# Altium PCB PCB MODULE AM625.PcbDoc (part 2 of 4) (continued)
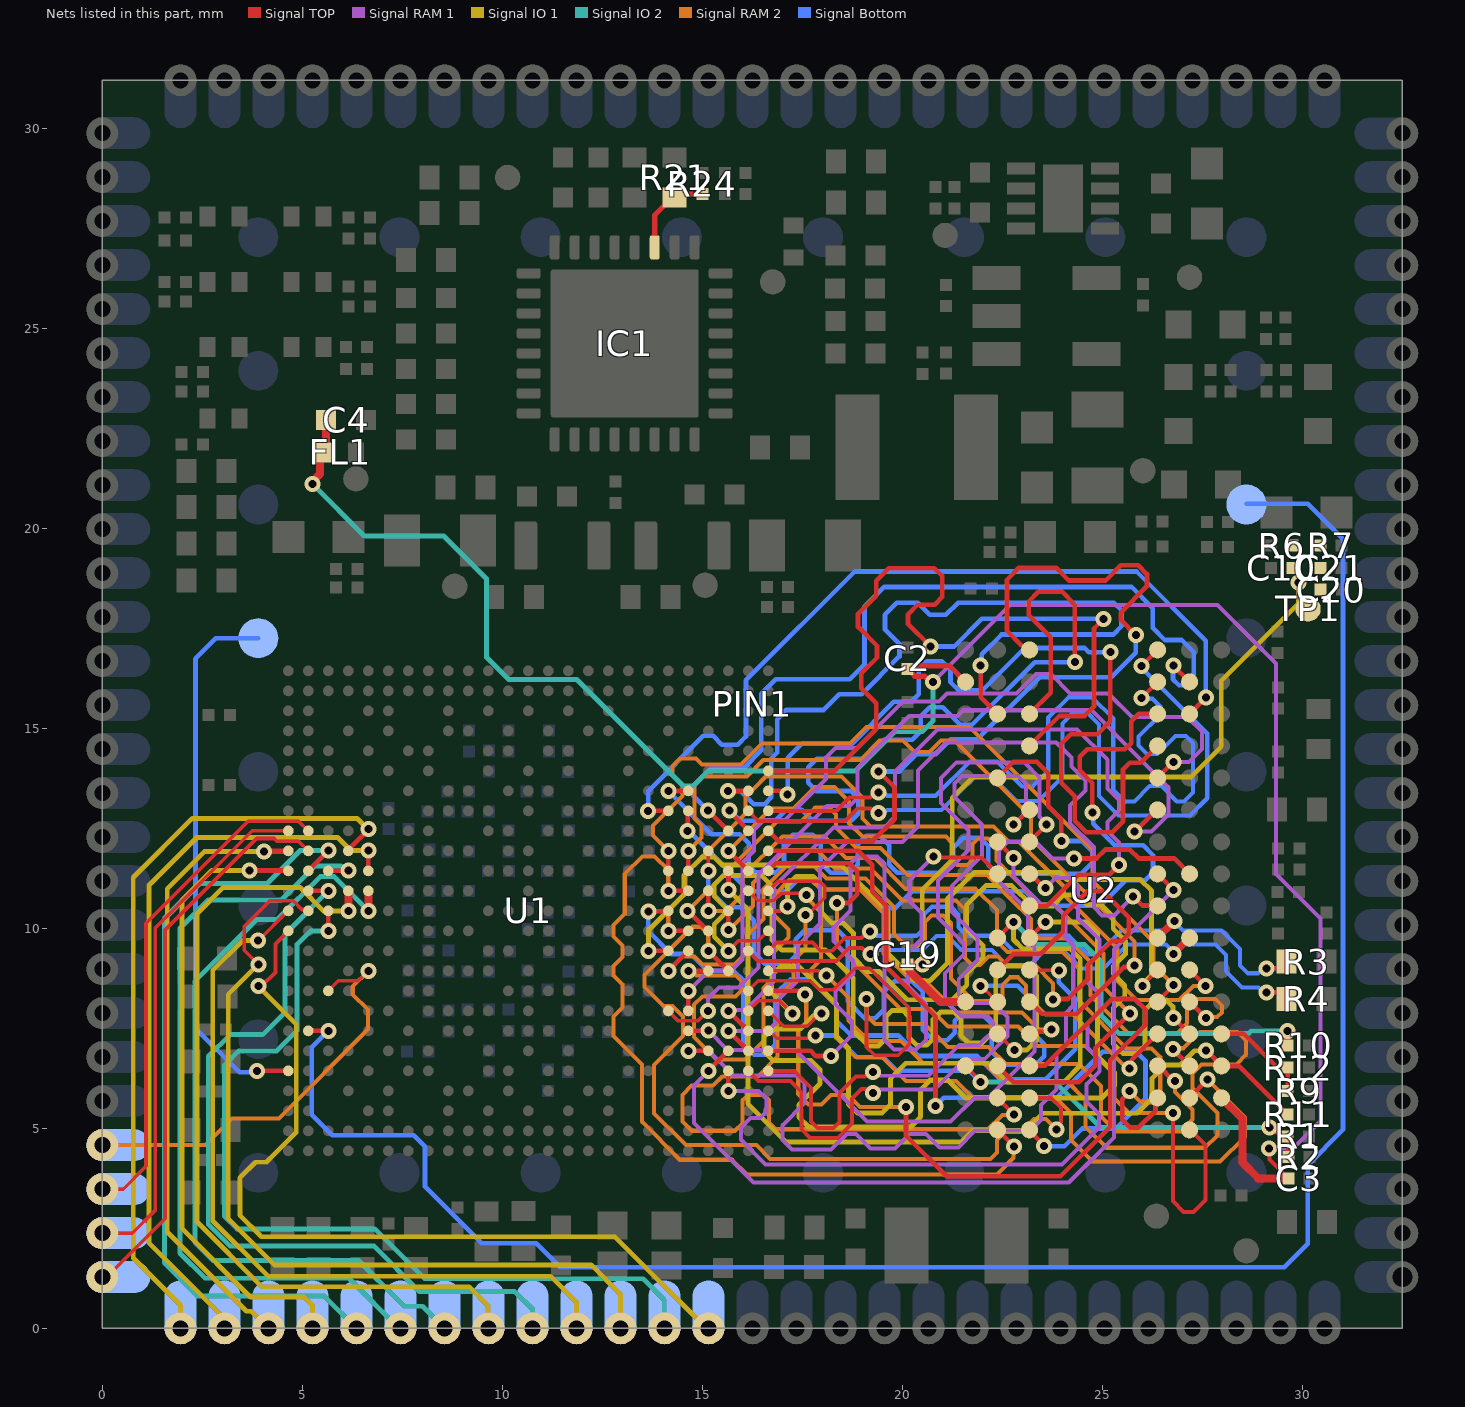
[diagram p10: the nets of this part, all layers, seen from the top]
## Nets (pads, with @x,y where several pads share a name; then routed paths per layer and width w, separated by ;. In a path a pad name is that pad's centre, name@x,y a point inside that pad or via, vN(x,y) a via of type N, cw(c..) or ccw(c..) an arc to the next point about the centre after c; other vN are vias at no path point) (continued)
  Signal TOP w0.117: v1(15.653,11.936) 15.653,11.934 16.15,11.438 U1.R2@16.15,11.436 ; U2.P2@22.381,6.561 22.787,6.155 23.975,6.155 24.414,6.155 24.831,6.572 24.831,7.011 v1(25.686,7.866)
  Signal RAM 2 w0.102: v1(15.653,11.936) 16.714,12.996 17.279,12.996 17.819,13.536 18.306,13.536 18.669,13.173 18.669,12.622 19.001,12.291 21.088,12.291 21.227,12.151 21.227,11.728 21.371,11.584 21.626,11.584 21.756,11.714 21.756,12.105 21.897,12.247 22.147,12.247 22.358,12.036 22.358,11.698 23.459,10.596 23.8,10.596 25.025,9.371 25.025,8.528 v1(25.686,7.866)
DDR_A7: U1.P2 U2.R8 | length 20.4
  Signal TOP w0.09: U1.P2@16.15,10.936 16.399,10.686 16.785,10.686 16.979,10.881 17.553,10.881 v1(17.599,10.835)
  Signal TOP w0.117: U2.R8@27.181,5.761 27.181,5.767 27.626,6.212 v1(27.626,6.218)
  Signal RAM 2 w0.102: v1(17.599,10.835) 17.599,10.771 17.971,10.4 17.971,9.226 17.73,8.985 17.73,8.68 18.349,8.061 18.349,7.256 18.826,6.779 19.49,6.779 20.088,6.181 21.344,6.181 21.743,5.782 23.818,5.782 24.215,5.385 24.215,4.704 24.754,4.165 27.948,4.165 28.57,4.787 28.57,5.274 v1(27.626,6.218)
DDR_A8: U1.P1 U2.R2 | length 20.3
  Signal TOP w0.09: U1.P1@16.65,10.936 16.892,11.178 17.927,11.178 18.06,11.045 18.06,10.765 17.623,10.328 v1(17.584,10.328) ; U2.R2@22.381,5.761 22.381,5.758 22.793,5.346 v1(22.793,5.342)
  Signal RAM 2 w0.102: v1(17.584,10.328) 17.584,9.499 17.28,9.194 17.28,8.686 16.883,8.29 16.883,6.789 16.388,6.294 15.499,6.294 15.271,6.066 14.732,6.066 14.5,5.835 14.5,5.166 14.728,4.939 15.822,4.939 16.005,5.122 16.005,5.701 16.139,5.835 16.532,5.835 16.662,5.704 16.662,5.147 16.833,4.976 22.143,4.976 22.503,5.337 22.787,5.337 v1(22.793,5.342)
DDR_A9: U1.P4 U2.R7 | length 20.2
  Signal TOP w0.117: v1(15.15,10.436) U1.P4@15.15,10.936 ; v1(25.682,5.933) 25.682,5.907 25.497,5.723 25.497,5.214 25.689,5.022 25.91,5.022 26.331,5.444 26.331,5.712 U2.R7@26.381,5.761
  Signal RAM 2 w0.102: v1(15.15,10.436) 15.598,10.436 16.007,10.844 16.007,11.307 17,12.3 18.05,12.3 18.597,11.753 19.315,11.753 20.08,10.988 21.832,10.988 22.366,10.454 22.366,9.671 22.625,9.412 23.999,9.412 24.413,8.999 24.413,8.193 25.607,6.999 26.228,6.999 26.448,6.779 26.448,5.817 26.282,5.651 25.964,5.651 v1(25.682,5.933)
DDR_A10: U1.R5 U2.M3 | length 20.3
  Signal TOP w0.102: U1.R5@14.65,11.436 v1(14.65,11.936)
  Signal TOP w0.117: U2.M3@23.181,8.161 23.193,8.161 23.493,7.861 24.366,7.861 25.536,9.031 25.763,9.031 v1(25.801,9.069)
  Signal RAM 2 w0.102: v1(14.65,11.936) 14.984,12.27 14.984,12.572 14.808,12.747 14.808,13.601 15.006,13.799 16.115,13.799 16.524,14.208 18.951,14.208 19.435,14.693 20.021,14.693 20.309,14.405 20.675,14.405 20.963,14.693 21.311,14.693 23.221,12.783 23.221,12.244 25.801,9.664 v1(25.801,9.069)
DDR_A11: U1.P5 U2.T2 | length 20.3
  Signal TOP w0.117: v1(14.15,10.936) U1.P5@14.65,10.936 ; U2.T2@22.381,4.961 v1(22.793,4.549)
  Signal RAM 2 w0.102: v1(14.15,10.936) 14.15,11.456 13.806,11.8 13.501,11.8 13.061,11.359 13.061,10.359 12.78,10.077 12.78,9.796 13.002,9.574 13.002,9.284 12.78,9.062 12.78,8.822 13.007,8.594 13.007,8.02 12.78,7.792 12.78,7.31 13.49,6.6 13.49,5.164 14.441,4.213 15.748,4.213 16.112,3.849 22.368,3.849 22.783,4.264 22.783,4.54 v1(22.793,4.549)
DDR_A12: U1.R6 U2.M7 | length 20.3
  Signal TOP w0.117: U1.R6@14.15,11.436 v1(14.15,11.936) ; U2.M7@26.381,8.161 26.381,8.17 26.781,8.57 v1(26.781,8.579)
  Signal RAM 2 w0.102: v1(14.15,11.936) 13.763,12.323 13.763,12.568 14.5,13.306 14.5,13.599 14.251,13.849 14.251,14.061 14.44,14.25 14.837,14.25 14.987,14.1 15.967,14.1 16.489,14.621 18.692,14.621 19.105,15.034 21.678,15.034 24.754,11.958 24.754,11.18 26.282,9.652 26.282,9.078 v1(26.781,8.579)
DDR_A13: U1.R1 U2.T8 | length 20.3
  Signal TOP w0.102: v1(26.763,5.387) 26.763,3.18 27.033,2.91 27.282,2.91 27.575,3.203 27.575,4.587 27.2,4.961 U2.T8@27.181,4.961
  Signal TOP w0.117: U1.R1@16.65,11.436 16.842,11.628 18.677,11.628 18.876,11.43 18.876,10.852 18.657,10.634 18.364,10.634 v1(18.362,10.632)
  Signal RAM 2 w0.102: v1(18.362,10.632) 18.362,9.569 19.949,7.982 20.708,7.982 21.148,7.541 22.899,7.541 23.378,7.062 24.584,7.062 25.3,6.345 25.3,5.751 25.664,5.387 v1(26.763,5.387)
DDR_A14_WEn: U1.N3 U2.L2 | length 20.2
  Signal TOP w0.117: U1.N3@15.65,10.436 15.652,10.434 15.652,9.959 v1(15.654,9.957) ; U2.L2@22.381,8.961 22.775,9.355 23.444,9.355 24.02,9.932 24.02,10.318 24.631,10.928 25.008,10.928 25.659,10.277 25.659,9.862 25.48,9.683 25.237,9.683 24.644,9.091 24.644,8.735 24.143,8.233 23.787,8.233 v1(23.768,8.215)
  Signal RAM 2 w0.102: v1(15.654,9.957) 15.671,9.957 16.27,10.557 16.27,11.137 17.089,11.955 17.867,11.955 18.322,11.5 19.2,11.5 20,10.7 21.338,10.7 21.566,10.472 21.566,9.257 21.743,9.08 21.946,9.08 22.156,9.29 22.395,9.29 22.621,9.064 23.325,9.064 23.768,8.621 v1(23.768,8.215)
DDR_A15_CAS: U1.M4 U2.M8 | length 20.2
  Signal TOP w0.117: v1(14.625,10.436) 14.637,10.436 15.137,9.936 U1.M4@15.15,9.936 ; U2.M8@27.185,8.161 v1@27.585,7.761
  Signal RAM 2 w0.102: v1(14.625,10.436) 14.636,10.436 16.865,12.665 17.469,12.665 17.824,13.02 18.165,13.02 18.342,12.843 18.342,12.518 18.856,12.004 19.455,12.004 20.126,11.333 22.116,11.333 22.698,10.751 23.221,10.228 23.221,9.957 23.431,9.747 24.114,9.747 24.707,9.154 24.707,8.323 25.642,7.387 26.884,7.387 27.122,7.626 27.122,7.999 27.351,8.228 27.833,8.228 27.992,8.069 27.992,7.898 27.872,7.778 27.611,7.778 v1(27.594,7.761)
DDR_A16_RAS: U1.M5 U2.L8 | length 20.3
  Signal TOP w0.117: v1(14.15,9.936) U1.M5@14.65,9.936 ; U2.L8@27.181,8.961 v1(27.581,8.561)
  Signal RAM 2 w0.102: v1(14.15,9.936) 14.15,10.451 14.576,10.878 14.576,11.366 15.246,12.036 15.802,12.592 16.083,12.874 16.083,13.292 16.315,13.524 16.586,13.795 18.484,13.795 19.01,13.269 19.01,12.744 19.21,12.544 22.285,12.544 22.666,12.163 22.918,12.163 24.042,11.039 24.042,10.838 25.381,9.499 25.381,8.683 25.858,8.205 26.924,8.205 27.28,8.561 v1(27.581,8.561)
DDR_ACTn: U1.N6 U2.L3 | length 19.9
  Signal TOP w0.09: U2.L3@23.181,8.961 23.186,8.956 23.906,8.956 v1(23.912,8.951)
  Signal TOP w0.117: v1(13.649,10.419) 13.658,10.427 14.141,10.427 U1.N6@14.15,10.436
  Signal Bottom w0.117: v1(13.649,10.419) 13.649,9.933 14.226,9.355 14.717,9.355 15.137,8.936 15.778,8.936 16.031,8.683 16.031,7.098 16.292,6.837 16.579,6.837 16.826,7.084 16.826,8.349 17.195,8.718 17.711,8.718 18.352,8.077 18.352,7.686 18.717,7.321 19.9,7.321 20.415,6.806 21.874,6.806 22.462,6.218 23.573,6.218 24.326,6.972 24.326,8.243 23.913,8.656 23.913,8.949 v1(23.912,8.951)
DDR_ALERTn: R11.1 U1.R3 U2.P9 | length 21.8
  Signal TOP w0.122: U1.R3@15.65,11.436 15.651,11.434 15.651,10.962 v1(15.653,10.961) ; v1(27.595,6.947) U2.P9@27.981,6.561 28.416,6.561 29.089,5.888 R11.1@29.635,5.342
  Signal IO 1 w0.122: v1(15.653,10.961) 16.139,10.475 16.139,5.616 17.1,4.655 21.468,4.655 21.756,4.943 23.077,4.943 23.511,5.376 25.867,5.376 26.246,5.755 26.246,6.25 26.579,6.583 26.95,6.583 27.306,6.939 27.587,6.939 v1(27.595,6.947)
DDR_BA0: U1.M1 U2.N2 | length 21.8
  Signal TOP w0.09: v1(15.653,9.436) 15.903,9.686 16.4,9.686 U1.M1@16.65,9.936 ; U2.N2@22.381,7.361 22.386,7.361 22.794,6.954 v1(22.799,6.954)
  Signal IO 1 w0.122: v1(15.653,9.436) 15.299,9.79 15.299,10.097 15.598,10.396 15.598,10.497 15.299,10.796 15.299,11.087 15.537,11.325 16.472,11.325 16.744,11.053 16.744,9.704 16.993,9.455 18.078,9.455 18.774,8.758 18.774,7.432 19.145,7.061 19.404,7.061 19.589,7.246 19.589,7.79 19.746,7.948 20.011,7.948 20.164,7.794 20.164,7.271 20.36,7.075 20.611,7.075 20.771,7.236 20.771,7.722 20.955,7.906 21.297,7.906 21.468,7.735 21.468,7.318 21.654,7.132 21.989,7.132 22.337,7.481 22.337,8.827 22.565,9.054 23.109,9.054 23.354,8.809 23.354,7.201 23.107,6.954 v1(22.799,6.954)
DDR_BA1: U1.N1 U2.N8 | length 21.8
  Signal TOP w0.102: U1.N1@16.65,10.436 16.941,10.436 17.045,10.539 v1(17.126,10.539)
  Signal TOP w0.117: v1(26.781,7.761) U2.N8@27.181,7.361
  Signal IO 1 w0.122: v1(17.126,10.539) 17.126,11.066 17.356,11.296 17.774,11.296 17.828,11.243 17.984,11.086 17.984,10.387 18.239,10.132 18.528,10.132 18.779,9.881 18.779,9.256 19.111,8.924 19.417,8.924 20.126,8.215 21.25,8.215 21.611,8.576 21.611,8.863 22.013,9.265 22.013,9.574 21.611,9.976 21.611,10.591 22.089,11.069 22.738,11.069 23.246,10.561 23.767,10.561 24.041,10.835 24.36,10.835 24.594,10.6 24.963,10.6 25.275,10.289 25.275,9.988 25.578,9.684 25.578,9.358 25.275,9.054 25.275,8.863 25.562,8.576 25.562,8.299 25.275,8.012 25.275,7.111 25.513,6.872 25.863,6.872 26.07,7.08 26.07,7.968 26.306,8.203 26.603,8.203 26.764,8.042 26.764,7.778 v1(26.781,7.761)
DDR_BG0: U1.T4 U2.M2 | length 19.9
  Signal TOP w0.09: v1(15.15,11.436) U1.T4@15.15,11.936 ; v1(21.961,8.561) 21.971,8.561 22.371,8.161 U2.M2@22.381,8.161
  Signal Bottom w0.117: v1(15.15,11.436) 15.15,10.973 15.6,10.523 15.963,10.523 16.282,10.204 16.282,9.384 16.556,9.11 17.132,9.11 17.339,9.317 17.339,9.727 17.565,9.953 18.381,9.953 18.636,9.698 18.636,8.173 19.054,7.755 19.327,7.755 19.539,7.967 19.539,8.413 19.807,8.682 20.249,8.682 20.51,8.421 20.51,7.466 20.776,7.2 21.12,7.2 21.309,7.39 21.309,7.686 21.516,7.893 21.961,7.893 22.239,7.614 22.239,6.91 22.562,6.587 23.332,6.587 23.547,6.801 23.547,7.101 23.324,7.323 23.324,8.119 22.882,8.561 v1(21.961,8.561)
DDR_CKE: R10.1 U1.H2 U2.K2 | length 29.1
  Signal TOP w0.09: U1.H2@16.15,7.936 16.397,8.184 16.938,8.184 v1(17.251,7.871)
  Signal TOP w0.117: U2.K2@22.381,9.761 v1(22.781,10.161)
  Signal TOP w0.2: v1(29.629,7.437) 29.632,7.434 29.632,7.077 R10.1@29.635,7.074
  Signal IO 1 w0.122: v1(17.251,7.871) 16.738,8.384 16.738,8.826 16.96,9.048 17.405,9.048 18.359,8.095 18.359,7.305 18.652,7.012 18.652,5.607 18.872,5.387 19.498,5.387 19.709,5.598 19.709,6.252 20.084,6.627 22.159,6.627 22.631,6.155 24.034,6.155 24.449,6.57 24.449,9.24 24.199,9.49 23.01,9.49 22.781,9.719 v1(22.781,10.161)
  Signal IO 2 w0.122: v1(22.781,10.161) 23.347,9.595 24.553,9.595 24.967,9.181 24.967,7.83 25.429,7.369 28.654,7.369 28.723,7.437 v1(29.629,7.437)
DDR_CLK_N: R4.1 U1.L2 U2.K8 | length 16.4
  Signal TOP w0.099: U1.L2@16.15,9.436 16.398,9.188 18.355,9.188 18.501,9.335 18.501,9.339 18.665,9.503 18.994,9.503 19.141,9.355 v1(19.203,9.355)
  Signal TOP w0.104: v1(29.1,8.4) 29.43,8.4 R4.1@29.6,8.23
  Signal TOP w0.182: v1(26.781,9.361) U2.K8@27.181,9.761
  Signal Bottom w0.104: v1(19.203,9.355) 19.283,9.355 19.384,9.457 20.505,9.457 20.852,9.804 21.129,9.804 21.476,9.457 22.239,9.457 22.61,9.086 22.624,9.086 22.636,9.074 23.187,9.074 23.57,9.457 24.016,9.457 24.476,8.997 25.033,8.997 25.628,9.593 26.594,9.593 26.781,9.406 v1(26.781,9.361) 26.79,9.361 27.021,9.593 27.834,9.593 28.091,9.336 28.091,8.925 28.496,8.519 28.901,8.519 29.02,8.4 v1(29.1,8.4)
DDR_CLK_P: R3.1 U1.L1 U2.K7 | length 16.7
  Signal TOP w0.099: U1.L1@16.65,9.436 16.861,9.648 17.751,9.648 17.96,9.439 18.251,9.439 18.251,9.443 18.561,9.753 18.982,9.753 19.142,9.914 v1(19.19,9.914)
  Signal TOP w0.104: v1(29.1,8.999) 29.433,8.999 R3.1@29.6,9.167
  Signal TOP w0.182: U2.K7@26.381,9.761 v1(26.799,10.179)
  Signal Bottom w0.104: v1(19.19,9.914) 19.27,9.914 19.372,9.813 20.358,9.813 20.543,9.998 20.543,10.343 20.739,10.539 21.215,10.539 21.409,10.345 21.409,10.027 21.623,9.813 22.401,9.813 22.783,9.43 23.04,9.43 23.423,9.813 24.164,9.813 24.623,9.353 24.886,9.353 25.481,9.948 26.613,9.948 26.799,10.134 v1@26.799,10.17 ; v1(26.799,10.179) v1@26.799,10.17 ; v1(29.1,8.999) 29.02,8.999 28.895,8.875 28.644,8.875 28.447,9.072 28.447,9.483 27.981,9.948 27.021,9.948 v1@26.799,10.17
DDR_CSn: U1.L6 U2.L7 | length 21.8
  Signal TOP w0.09: v1(25.999,8.554) 25.999,8.567 26.381,8.948 U2.L7@26.381,8.961
  Signal TOP w0.117: v1(13.655,9.436) U1.L6@14.15,9.436
  Signal IO 1 w0.122: v1(13.655,9.436) 13.655,9.949 14.541,10.835 14.541,11.322 14.997,11.778 15.299,11.778 15.492,11.586 18.466,11.586 19.642,10.409 19.642,9.363 20.315,8.69 20.691,8.69 21.127,9.126 21.127,10.732 21.797,11.403 23.93,11.403 24.115,11.217 25.951,11.217 26.233,10.935 26.233,8.835 25.999,8.601 v1(25.999,8.554)
DDR_DQ0: U1.F4 U2.G2 | length 21.1
  Signal TOP w0.117: v1(14.65,6.936) U1.F4@15.15,6.936 ; U2.G2@22.381,12.161 v1(22.781,11.761)
  Signal RAM 1 w0.102: v1(14.65,6.936) 15.166,6.936 15.782,6.32 17.376,6.32 17.56,6.137 17.56,5.632 17.004,5.076 17.004,4.703 17.238,4.468 18.223,4.468 18.617,4.862 18.838,4.862 19.201,4.499 19.817,4.499 20.178,4.861 20.596,4.861 20.936,4.521 21.401,4.521 21.82,4.941 23.194,4.941 23.466,5.213 23.466,5.581 23.856,5.971 23.856,6.854 24.092,7.09 24.092,7.883 24.274,8.064 24.274,9.573 24.075,9.772 24.075,10.306 23.782,10.599 23.477,10.599 22.781,11.295 v1(22.781,11.761)
DDR_DQ1: U1.H6 U2.F7 | length 21.1
  Signal TOP w0.09: U1.H6@14.15,7.936 14.401,7.684 14.889,7.684 v1(15.141,7.936)
  Signal TOP w0.117: U1.H6@14.15,7.936 U1.H6@14.15,7.941 ; v1(25.809,12.423) 25.826,12.423 26.364,12.961 U2.F7@26.381,12.961
  Signal RAM 1 w0.102: v1(15.141,7.936) 15.141,8.251 15.412,8.523 15.906,8.523 16.4,9.017 16.4,11.347 18.113,13.06 18.683,13.06 18.882,13.259 18.882,14.011 20.173,15.303 21.377,15.303 21.526,15.452 24.725,15.452 25.829,14.348 26.651,13.526 26.651,12.841 26.234,12.423 v1(25.809,12.423)
DDR_DQ2: U1.E3 U2.H3 | length 21.1
  Signal TOP w0.117: v1(15.65,5.936) U1.E3@15.65,6.436 ; U2.H3@23.181,11.361 23.202,11.361 23.559,11.004 v1(23.581,11.004)
  Signal RAM 1 w0.102: v1(15.65,5.936) 16.406,5.936 16.609,5.732 16.609,5.422 16.444,5.257 16.211,5.257 15.965,5.011 15.965,4.714 16.585,4.094 23.993,4.094 24.914,5.015 24.914,5.353 24.6,5.668 24.6,6.101 24.925,6.426 24.925,6.721 24.625,7.021 24.625,7.614 24.925,7.914 24.925,8.354 24.628,8.651 24.628,9.077 24.925,9.374 24.925,9.717 24.39,10.251 24.39,11.033 24.168,11.256 23.832,11.256 v1(23.581,11.004)
DDR_DQ3: U1.F3 U2.H7 | length 21.1
  Signal TOP w0.117: v1(15.15,6.436) U1.F3@15.65,6.936 ; U2.H7@26.381,11.361 v1(26.781,10.961)
  Signal RAM 1 w0.102: v1(15.15,6.436) 14.789,6.075 14.789,5.138 16.278,3.648 24.161,3.648 25.288,4.775 25.288,9.468 v1(26.781,10.961)
DDR_DQ4: U1.F1 U2.H2 | length 21.1
  Signal TOP w0.102: v1(20.782,11.796) 20.81,11.767 21.974,11.767 U2.H2@22.381,11.361
  Signal TOP w0.117: U1.F1@16.65,6.936 17.709,6.936 17.839,6.806 v1(18.219,6.806)
  Signal RAM 1 w0.102: v1(18.219,6.806) 18.741,7.328 18.741,7.684 18.332,8.093 18.332,8.429 18.774,8.871 18.774,9.189 18.276,9.687 18.276,10.023 18.701,10.447 18.701,11.616 18.885,11.8 19.37,11.8 19.555,11.615 19.555,7.206 19.796,6.966 20.341,6.966 20.588,7.212 20.588,8.105 20.138,8.555 20.138,9.392 20.482,9.736 20.482,10.378 20.178,10.682 20.178,11.192 v1(20.782,11.796)
DDR_DQ5: U1.G5 U2.H8 | length 21.1
  Signal TOP w0.117: U1.G5@14.65,7.436 14.651,7.438 15.148,7.438 v1(15.15,7.44) ; v1(24.295,11.743) 24.299,11.746 24.855,11.746 25.077,11.969 25.688,11.969 25.911,11.746 26.796,11.746 U2.H8@27.181,11.361
  Signal RAM 1 w0.102: v1(15.15,7.44) 15.632,6.957 17.326,6.957 19.117,5.166 21.21,5.166 21.799,5.755 22.138,5.755 23.308,6.925 23.308,9.7 23.139,9.869 23.139,10.439 22.415,11.164 22.415,11.947 22.64,12.172 23.325,12.172 23.754,11.743 v1(24.295,11.743)
DDR_DQ6: U1.G2 U2.J3 | length 21.1
  Signal TOP w0.117: v1(15.653,7.936) 15.653,7.934 16.15,7.438 U1.G2@16.15,7.436 ; U2.J3@23.181,10.561 23.626,10.561 24.401,11.336 25.173,11.336 v1(25.416,11.579)
  Signal RAM 1 w0.102: v1(15.653,7.936) 15.679,7.962 16.082,7.962 16.794,8.674 16.794,11.041 18.275,12.522 19.554,12.522 19.821,12.789 19.821,13.915 20.88,14.973 24.373,14.973 25.132,14.214 25.132,13.497 25.416,13.212 25.416,12.939 25.132,12.655 25.132,12.429 25.416,12.144 v1(25.416,11.579)
DDR_DQ7: U1.F2 U2.J7 | length 21.1
  Signal TOP w0.117: v1(15.65,7.436) U1.F2@16.15,6.936 ; v1(25.772,10.796) 25.998,10.571 26.371,10.571 U2.J7@26.381,10.561
  Signal RAM 1 w0.102: v1(15.65,7.436) 16.627,7.436 16.863,7.672 16.863,8.177 17.388,8.701 17.388,9.565 17.94,10.118 17.94,11.478 18.62,12.158 20.007,12.158 20.389,12.54 20.389,13.941 21.096,14.648 23.849,14.648 24.229,14.268 24.229,14.043 24.575,13.697 24.575,13.447 24.196,13.068 24.196,12.622 24.789,12.029 24.789,10.531 24.997,10.323 25.299,10.323 v1(25.772,10.796)
DDR_DQ8: U1.U1 U2.A3 | length 21
  Signal TOP w0.117: U1.U1@16.65,12.436 16.914,12.171 19.254,12.171 19.806,12.724 19.806,13.52 v1(19.406,13.92) ; U2.A3@23.181,16.961 23.097,16.961 22.983,17.075 22.979,17.075 22.617,17.438 22.617,18.713 22.913,19.009 23.851,19.009 24.165,18.695 25.084,18.695 25.466,19.076 25.896,19.076 26.116,18.856 26.116,18.549 25.458,17.891 25.458,17.709 v1(25.837,17.33)
  Signal Bottom w0.117: v1(19.406,13.92) 19.928,13.92 20.367,14.358 20.852,14.358 21.217,14.723 21.879,14.723 23.432,16.276 25.224,16.276 25.837,16.889 v1(25.837,17.33)
DDR_DQ9: U1.U3 U2.B8 | length 20.9
  Signal TOP w0.117: v1(15.146,12.943) v1(15.146,12.943) U1.U3@15.65,12.436 U1.U3@15.65,12.436 ; v1(26.776,16.571) 26.776,16.568 27.181,16.164 U2.B8@27.181,16.161
  Signal Bottom w0.117: v1(15.146,12.943) 14.771,13.318 14.771,13.547 15.253,14.029 16.059,14.029 16.478,14.448 16.478,15.865 16.841,16.228 18.69,16.228 19.054,16.592 19.054,18.036 19.551,18.533 25.73,18.533 26.264,17.999 26.264,17.509 26.566,17.207 26.989,17.207 27.289,16.907 27.289,16.237 27.131,16.079 26.917,16.079 26.766,16.23 26.766,16.561 v1(26.776,16.571)
DDR_DQ10: U1.U2 U2.C3 | length 20.9
  Signal TOP w0.117: v1(15.678,12.942) 15.678,12.924 16.15,12.453 U1.U2@16.15,12.436 ; U2.C3@23.181,15.361 23.708,15.889 23.708,17.272 23.157,17.823 23.157,18.17 23.398,18.411 23.996,18.411 24.314,18.092 24.314,16.657 v1(24.317,16.654)
  Signal Bottom w0.117: v1(15.678,12.942) 15.697,12.942 15.953,12.686 16.825,12.686 17.098,12.959 17.488,12.959 17.761,12.686 18.725,12.686 18.902,12.863 18.902,13.237 18.705,13.434 17.851,13.434 17.645,13.64 17.645,14.027 17.86,14.242 19.069,14.242 19.537,14.71 20.246,14.71 20.462,14.925 20.462,15.298 20.69,15.526 21.015,15.526 21.451,15.089 21.743,15.089 23.308,16.654 v1(24.317,16.654)
DDR_DQ11: U1.V5 U2.C7 | length 20.7
  Signal TOP w0.117: v1(14.625,12.436) 14.637,12.448 14.637,12.924 U1.V5@14.65,12.936 ; v1(24.75,12.899) 24.75,13.633 24.435,13.947 24.435,14.287 24.626,14.478 25.567,14.478 25.72,14.631 25.72,15.173 25.909,15.361 U2.C7@26.381,15.361
  Signal Bottom w0.117: v1(14.625,12.436) 14.665,12.436 16.177,10.923 17.095,10.923 17.409,11.238 17.768,11.238 18.026,10.979 19.072,10.979 19.542,10.509 19.836,10.509 20.25,10.923 23.078,10.923 23.44,10.56 24.945,10.56 25.584,11.2 26.07,11.2 26.268,11.398 26.268,11.829 26.022,12.076 25.308,12.076 24.77,12.614 24.77,12.878 v1(24.75,12.899)
DDR_DQ12: U1.W2 U2.C2 | length 20.9
  Signal TOP w0.117: v1(15.646,13.436) U1.W2@16.15,13.436 ; v1(21.961,16.576) 21.961,15.781 U2.C2@22.381,15.361
  Signal Bottom w0.117: v1(15.646,13.436) 15.659,13.423 15.962,13.423 16.282,13.103 16.556,13.103 16.724,13.271 16.724,14.245 16.875,14.395 16.875,15.23 17.104,15.459 18.033,15.459 18.424,15.85 18.983,15.85 19.928,16.796 19.928,17.109 19.567,17.471 19.567,17.842 19.867,18.142 20.382,18.142 20.688,17.836 21.087,17.836 21.393,18.142 25.291,18.142 25.48,17.953 25.48,17.548 25.275,17.343 22.48,17.343 21.985,16.849 21.985,16.6 v1(21.961,16.576)
DDR_DQ13: U1.V6 U2.C8 | length 20.9
  Signal TOP w0.117: v1(13.646,12.936) U1.V6@14.15,12.936 ; U2.C8@27.181,15.361 27.183,15.361 27.588,15.766 v1(27.59,15.766)
  Signal Bottom w0.117: v1(13.646,12.936) 13.646,13.432 15.026,14.812 15.269,14.812 15.491,14.591 15.887,14.591 16.091,14.795 16.091,16.201 18.81,18.92 25.855,18.92 27.59,17.185 v1(27.59,15.766)
DDR_DQ14: U1.Y1 U2.D3 | length 20.9
  Signal TOP w0.117: U1.Y1@16.65,13.936 18.307,13.936 19.345,14.974 19.345,15.629 18.972,16.001 18.972,16.373 19.367,16.768 19.367,17.061 18.894,17.533 18.894,17.864 19.345,18.314 19.345,18.691 19.659,19.005 20.802,19.005 21,18.807 21,18.284 20.806,18.09 20.38,18.09 20.145,17.854 20.145,17.607 v1(20.706,17.045) ; U2.D3@23.181,14.561 23.927,15.307 24.554,15.307 24.793,15.546 24.793,17.495 v1(25.035,17.737)
  Signal Bottom w0.117: v1(20.706,17.045) 21.299,17.045 21.991,17.737 v1(25.035,17.737)
DDR_DQ15: U1.W1 U2.D7 | length 20.9
  Signal TOP w0.117: U1.W1@16.65,13.436 16.96,13.436 17.056,13.34 v1(17.132,13.34) ; v1(25.202,16.903) 25.202,15.173 24.88,14.851 24.212,14.851 23.975,14.614 23.975,13.637 24.315,13.297 24.315,12.686 24.597,12.403 25.249,12.403 25.518,12.672 25.518,13.976 25.684,14.142 25.961,14.142 U2.D7@26.381,14.561
  Signal Bottom w0.117: v1(17.132,13.34) 17.132,14.264 17.485,14.616 18.743,14.616 19.789,15.661 20.219,15.661 20.407,15.849 20.407,16.475 20.61,16.678 20.991,16.678 21.205,16.463 21.205,16.149 21.409,15.946 22.005,15.946 23.066,17.007 24.561,17.007 24.665,16.903 v1(25.202,16.903)
DDR_LDM: U1.H5 U2.E7 | length 21.1
  Signal TOP w0.102: U1.H5@14.65,7.936 v1(14.65,8.436)
  Signal TOP w0.117: U2.E7@26.381,13.761 v1(26.781,14.161)
  Signal RAM 1 w0.102: v1(14.65,8.436) 15.164,8.95 15.735,8.95 16.005,9.22 16.005,11.649 16.292,11.936 16.292,12.454 16.545,12.707 17.063,12.707 18.088,13.732 18.088,14.269 18.329,14.509 18.865,14.509 20.022,15.666 20.912,15.666 21.12,15.873 22.856,15.873 23.339,16.357 23.713,16.357 24.196,15.873 25.149,15.873 25.74,15.282 27.124,15.282 27.491,14.915 27.491,14.483 27.17,14.161 v1(26.781,14.161)
DDR_LDQS_N: U1.E2 U2.F3 | length 20.9
  Signal TOP w0.099: U1.E2@16.15,6.436 16.402,6.184 17.201,6.184 17.473,5.911 17.473,5.465 17.475,5.463 17.475,4.984 17.696,4.762 18.386,4.762 18.743,5.119 18.743,5.749 18.975,5.981 19.08,5.981 19.184,5.877 v1(19.265,5.877)
  Signal TOP w0.104: v1(22.781,12.591) 22.795,12.591 23.166,12.961 U2.F3@23.181,12.961
  Signal RAM 1 w0.097: 19.442,5.971 20.8,5.971 21.565,6.736 22.062,6.736 22.629,7.303 22.629,7.785 22.28,8.134 21.616,8.134 21.413,8.337 21.413,8.736 21.88,9.203 21.88,9.764 21.236,10.408 21.236,11.057 21.996,11.817 21.996,12.59 21.308,13.279 21.308,13.62 21.49,13.802 22.909,13.802 23.089,13.622 23.089,12.899 v1(22.781,12.591)
DDR_LDQS_P: U1.E1 U2.G3 | length 20.9
  Signal TOP w0.099: U1.E1@16.65,6.436 17.299,6.436 17.721,6.014 17.721,5.174 17.885,5.01 18.283,5.01 18.429,5.155 18.429,5.879 18.845,6.295 19.07,6.295 19.185,6.409 v1(19.266,6.409)
  Signal TOP w0.104: U2.G3@23.181,12.161 23.181,12.164 23.604,12.588 v1(23.604,12.591)
  Signal RAM 1 w0.097: 19.443,6.314 20.658,6.314 21.423,7.079 21.92,7.079 22.286,7.445 22.286,7.643 22.138,7.791 21.474,7.791 21.07,8.195 21.07,8.878 21.537,9.345 21.537,9.622 20.893,10.266 20.893,11.199 21.653,11.959 21.653,12.448 20.965,13.137 20.965,13.762 21.348,14.145 23.051,14.145 23.432,13.764 23.432,12.799 23.604,12.626 v1(23.604,12.591)
DDR_ODT: U1.H1 U2.K3 | length 21.8
  Signal TOP w0.09: U1.H1@16.65,7.936 17.036,7.55 17.62,7.55 17.945,7.874 v1(17.984,7.874)
  Signal TOP w0.117: U2.K3@23.181,9.761 v1(23.581,10.161)
  Signal IO 1 w0.122: v1(17.984,7.874) 17.931,7.821 17.785,7.821 17.445,7.481 16.734,7.481 16.547,7.293 16.547,6.914 16.762,6.699 17.715,6.699 17.946,6.467 17.946,6.12 17.414,5.588 17.414,5.28 17.661,5.033 20.205,5.033 20.46,5.288 20.46,5.966 20.706,6.212 21.13,6.212 21.585,5.757 24.987,5.757 25.303,6.072 25.303,6.391 24.876,6.818 24.876,9.883 24.598,10.161 v1(23.581,10.161)
DDR_PARITY: U1.T1 U2.T3 | length 19.9
  Signal TOP w0.117: U1.T1@16.65,11.936 18.897,11.936 19.246,11.586 19.246,10.916 19.596,10.567 19.596,9.038 20.83,7.804 v1(20.83,5.56) ; U2.T3@23.181,4.961 23.181,4.939 23.537,4.583 v1(23.537,4.56)
  Signal Bottom w0.117: v1(20.83,5.56) 21.038,5.768 23.857,5.768 25.006,6.917 25.852,6.917 26.078,6.691 26.078,5.734 25.339,4.995 24.5,4.995 24.055,4.549 23.548,4.549 v1(23.537,4.56)
DDR_RESET#: R1.1 R2.2 U1.G1 U2.P1 | length 15.2
  Signal TOP w0.09: U1.G1@16.65,7.436 16.677,7.436 16.866,7.247 17.671,7.247 17.744,7.321 v1(17.828,7.321) ; U2.P1@21.581,6.561 21.581,6.548 21.961,6.168 v1(21.961,6.155)
  Signal TOP w0.122: v1(29.174,5.02) 29.249,5.02 29.381,4.889 29.546,4.889 R1.1@29.635,4.8 29.642,4.793 29.642,4.295 R2.2@29.65,4.288
  Signal IO 2 w0.122: v1(21.961,6.155) 23.823,6.155 24.958,5.02 v1(29.174,5.02)
  Signal Bottom w0.117: v1(17.828,7.321) 18.319,7.321 18.863,6.777 19.528,6.777 19.865,6.44 21.676,6.44 v1(21.961,6.155)
DDR_TEN: R9.2 R12.1 U2.N9 | length 2.6
  Signal TOP w0.117: U2.N9@27.981,7.361 28.537,7.361 29.378,6.52 29.631,6.52 R12.1@29.635,6.516 R9.2@29.635,5.936
DDR_UDM: U1.W5 U2.E2 | length 20.9
  Signal TOP w0.117: v1(14.15,13.432) 14.151,13.434 U1.W5@14.65,13.436 U1.W5@14.65,13.436 ; U2.E2@22.381,13.761 22.781,14.161 23.366,14.161 23.651,13.876 23.651,13.05 23.975,12.726 v1(23.975,12.181)
  Signal Bottom w0.117: v1(14.15,13.432) 15.229,12.353 15.936,12.353 16.159,12.13 16.159,11.576 16.342,11.393 16.854,11.393 17.041,11.58 17.041,12.125 17.258,12.341 17.765,12.341 17.962,12.145 17.962,11.644 18.214,11.392 18.687,11.392 18.885,11.59 18.885,12.103 19.098,12.316 19.43,12.316 19.674,12.073 19.674,11.589 19.877,11.386 21.049,11.386 21.27,11.607 21.27,12.011 21.523,12.264 21.938,12.264 22.145,12.058 22.145,11.591 22.371,11.365 24.474,11.365 24.75,11.64 24.75,11.93 24.499,12.181 v1(23.975,12.181)
DDR_UDQS_N: U1.V2 U2.A7 | length 21
  Signal TOP w0.099: U1.V2@16.15,12.936 16.398,12.688 18.567,12.688 18.878,12.999 19.206,12.999 19.325,12.88 v1(19.406,12.88)
  Signal TOP w0.104: v1(25.981,16.561) U2.A7@26.381,16.961
  Signal Bottom w0.104: v1(19.406,12.88) 19.463,12.937 19.592,12.937 19.615,12.96 20.983,12.96 21.83,13.807 22.231,13.807 22.851,13.186 23.407,13.186 24.004,13.783 24.004,15.123 24.3,15.419 24.599,15.419 24.919,15.098 24.919,13.306 25.409,12.816 27.189,12.816 27.624,13.251 27.624,14.87 25.981,16.513 v1(25.981,16.561)
DDR_UDQS_P: U1.V1 U2.B7 | length 21
  Signal TOP w0.104: U1.V1@16.65,12.936 18.349,12.936 18.681,13.269 19.198,13.269 19.329,13.4 v1(19.406,13.4) ; v1(25.981,15.761) U2.B7@26.381,16.161
  Signal Bottom w0.104: v1(19.406,13.4) 19.463,13.343 19.588,13.343 19.615,13.316 20.836,13.316 21.682,14.162 22.378,14.162 22.998,13.542 23.26,13.542 23.648,13.93 23.648,15.27 24.153,15.775 24.746,15.775 25.275,15.246 25.275,13.453 25.556,13.172 25.802,13.172 26.185,13.554 26.478,13.554 26.861,13.172 27.041,13.172 27.268,13.398 27.268,14.634 27.091,14.811 26.827,14.811 26.375,14.359 26.119,14.359 25.906,14.572 25.906,14.793 26.45,15.337 26.45,15.541 26.253,15.738 26.004,15.738 v1(25.981,15.761)
DDR_VPP: C2.1 C3.1 C4.1 FL1.1 U2.B1 U2.R9 | length 53.2
  Signal TOP w0.102: v1(29.163,4.494) 29.182,4.475 29.182,4.217 C3.1@29.65,3.75
  Signal TOP w0.13: v1(20.771,16.163) 20.698,16.163 20.557,16.304 20.312,16.304 C2.1@20.13,16.486 20.21,16.566 21.176,16.566 U2.B1@21.581,16.161
  Signal TOP w0.2: v1(5.249,21.111) 5.249,21.165 5.443,21.358 5.443,21.751 5.593,21.901 5.596,21.901 C4.1@5.596,22.712 ; U2.R9@27.981,5.761 28.503,5.239 28.503,4.145 28.898,3.75 C3.1@29.65,3.75
  Signal RAM 1 w0.102: v1(20.771,16.163) 22.692,18.083 27.881,18.083 29.344,16.62 29.344,11.352 30.45,10.246 30.45,5.182 29.762,4.494 v1(29.163,4.494)
  Signal IO 2 w0.122: v1(5.249,21.111) 6.553,19.807 8.54,19.807 9.606,18.741 9.606,16.772 10.155,16.223 11.856,16.223 14.521,13.559 14.771,13.559 15.148,13.936 18.829,13.936 19.806,14.912 20.5,14.912 20.771,15.184 v1(20.771,16.163)
DDR_VREFCA: C10.1 C19.1 C20.2 C21.2 R6.2 R7.1 TP1.1 U2.M1 | length 18.9
  Signal TOP w0.2: v1(20.5,9.091) 20.131,9.091 C19.1@20.13,9.089 20.18,9.039 20.18,8.936 20.954,8.161 U2.M1@21.581,8.161
  Signal IO 1 w0.122: v1(20.5,9.091) 20.5,10.96 21.25,11.711 21.25,13.265 21.772,13.787 27.221,13.787 27.975,14.54 27.975,16.192 29.908,18.125 v1(29.908,18.647)
EMMC_RSTn: PIN1.118 U1.G24 | length 50.8
  Signal TOP w0.117: U1.G24@5.15,7.436 v1(5.65,7.436)
  Signal Bottom w0.117: v1(5.65,7.436) 5.238,7.024 5.238,5.336 5.75,4.824 7.789,4.824 8.068,4.544 8.068,3.542 9.481,2.13 10.844,2.13 11.45,1.525 29.55,1.525 30.134,2.109 30.134,4.078 31.016,4.961 31.016,19.734 30.134,20.616 PIN1.118@28.603,20.616
EXTINTn: R24.1 U1.D16 | length 45.3
  Signal TOP w0.117: v1(8.15,5.936) 8.166,5.936 8.434,6.204 8.882,6.204 U1.D16@9.15,5.936
  Signal TOP w0.13: R24.1@15,28.884 v1@15,29.267
  Signal RAM 1 w0.102: v1(8.15,5.936) 7.811,6.274 7.519,6.274 6.231,4.986 4.534,4.986 4.32,5.2 2.999,5.2 1.625,6.574 1.625,24.195 2.465,25.035 2.465,29.131 3.009,29.675 14.592,29.675 v1(14.998,29.269)
EXTINTn: IC1.11 R21.1 R24.2 | length 2.2
  Signal TOP w0.13: IC1.11@13.811,27.022 13.811,27.832 14.334,28.354 R24.2@15,28.354
GBE1_RSTn: PIN1.134 U1.E25 | length 13.8
  Signal TOP w0.117: v1(3.863,6.438) v1(3.863,6.438) 4.648,6.437 U1.E25@4.65,6.436
  Signal Bottom w0.117: v1(3.863,6.438) 3.826,6.401 3.429,6.401 2.329,7.502 2.329,16.741 2.84,17.253 PIN1.134@3.9,17.253
GBE2_RSTn: PIN1.4 PIN1.4_1 PIN1.4_2 U1.J23 | length 10.8
  Signal TOP w0.09: U1.J23@5.65,8.436 5.9,8.686 6.4,8.686 v1(6.65,8.936)
  Signal RAM 2 w0.102: PIN1.4_2@0,4.579 2.576,4.579 3.247,5.25 4.415,5.25 6.642,7.476 6.642,7.964 6.261,8.345 6.261,8.547 v1(6.65,8.936)